# KiCad board mezi_panel.kicad_pcb (continued)
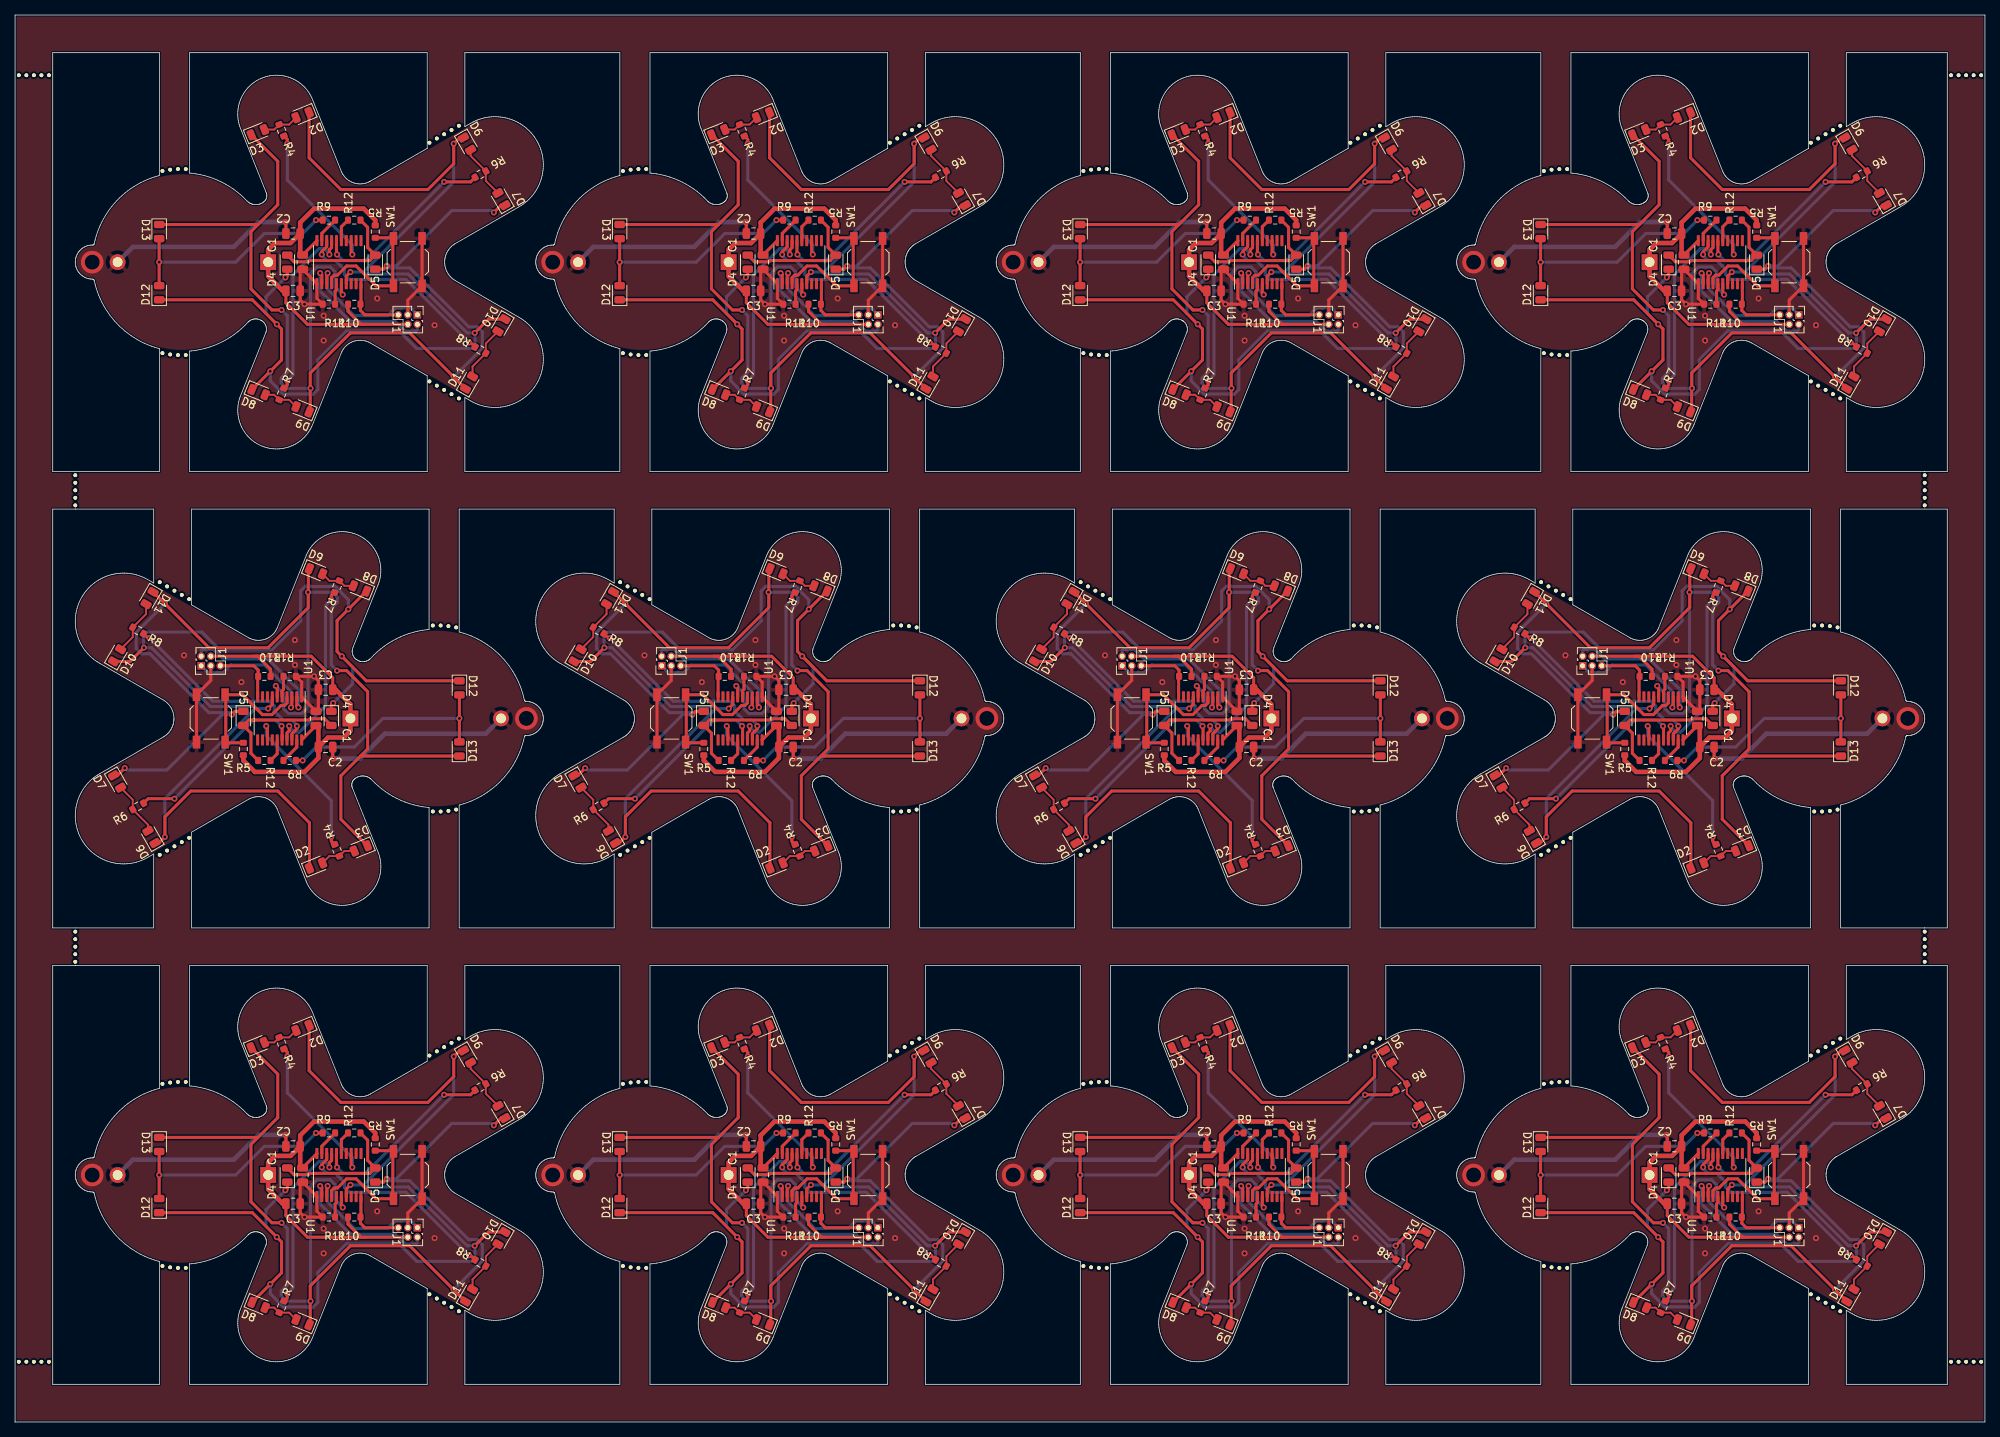
[diagram p0: board, top side]
## Routing (per net, layer and track width the routed paths; a pad name or vN(x,y) marks a point on that pad's centre or on a via; arc(x,y) is an arc through that point) (continued)
Board_6-/MPX1: length 156.4
  Top w0.406: D11#5.1 142.21,108.75 v1(142.21,108.74) 142.22,108.74 148.06,102.9 155.92,102.9 161.26,108.23 161.26,113.26 D9#12.1 ; v1(156.94,97.82) 157.12,97.63 U1#6.6 ; D3#12.1 165.57,80.09 165.57,85.88 168.19,88.5 ; D13#7.1 168.19,88.5 ; 168.19,88.5 169.13,89.44 169.13,97.06 166.34,99.85 v1(165.07,99.85) ; D5#8.1 151.53,94.44 v1(151.1,94.01) ; v1(136.87,86.9) 135.91,85.93 D7#3.1
  Bottom w0.406: v1(165.07,99.85) 164.3,100.61 164.3,108.11 165.11,108.91 165.11,109.58 164.42,110.26 v1(161.22,110.26) 161.22,94.98 160.38,94.15 158.61,94.15 157.95,94.8 157.95,96.8 v1(156.94,97.82) ; v1(136.87,86.9) 137.13,86.64 142.46,86.64 149.83,94.01 v1(151.1,94.01) 150.84,94.26 148.05,94.26 140.22,102.09 139.08,102.09 138.4,102.78 138.4,104.93 v1(142.21,108.74)
Board_6-/MPX2: length 155.6
  Top w0.406: D2#3.1 161.4,79.64 157.19,83.85 145.63,83.85 142.21,80.43 v1(142.21,77.75) 141.39,76.94 D6#6.1 ; D12#9.1 168.95,98.5 v1(165.7,101.75) 165.07,102.39 165.07,106.5 D8#3.1 ; D4#5.1 164.3,95.28 v1(164.56,95.53) ; v1(155.92,94.81) 156.47,95.36 U1#6.7 ; v1(139.41,102.9) 137.58,101.07 D10#11.1
  Bottom w0.406: 154.18,94.81 153.91,95.08 148.24,95.08 140.43,102.9 v1(139.41,102.9) 139.37,102.94 139.37,104.5 139.84,104.97 147.12,104.97 149.45,102.64 156.43,102.64 160.24,106.45 160.24,110.42 160.88,111.07 161.55,111.07 161.59,111.03 164.81,111.03 166.57,109.27 v1(166.57,108) ; 154.18,94.81 v1(155.92,94.81) ; 154.18,94.81 142.21,82.83 v1(142.21,77.75) ; v1(164.56,95.53) 167.14,98.11 167.14,100.32 v1(165.7,101.75)
Board_6-/nRST: length 8.8
  Top w0.406: U1#6.10 154.52,99.02 R10#8.2 154.59,99.91 154.01,100.49 J1#4.5
Board_6-/SWC: length 17.8
  Top w0.406: U1#6.3 159.07,95.07 v1(158.95,94.95)
  Bottom w0.406: J1#4.1 147.03,100.49 147.92,99.59 149.94,99.59 150.96,100.61 155.41,100.61 158.95,97.08 v1(158.95,94.95)
Board_6-/SWD: length 19.8
  Top w0.406: 159.92,94.96 v1(159.95,94.96) 159.72,95.18 U1#6.2
  Bottom w0.406: J1#4.2 147.03,102.47 147.22,102.67 148.67,102.67 149.97,101.37 155.92,101.37 159.95,97.35 v1(159.95,94.96)
Board_6-GND: length 50
  Top w0.406: C2.2 164.49,88.35 ; J1#4.3 148.3,98.54 SW1#10.2 SW1#10.2 ; 164.49,88.23 v1(164.56,88.17) ; 162.59,94.77 C1.1 160.37,96.35 U1#6.1 160.37,98.32 R11#3.1 v1(162.02,99.09) 162.59,98.51 C3#3.2 162.59,94.77
  Bottom w0.61: BT1#7.2 184.81,91.47 171.42,91.47 168.11,88.17 v1(164.56,88.17)
  vias: v1(144.75,101.88) v1(152.37,98.33) v1(159.48,103.91) v1(159.48,100.61) v2(190.21,93.5)
Board_6-Net-(D2-A): length 4.9
  Top w0.25: D3#12.2 166.04,75.88 R4#3.1 164.06,75.21 D2#3.2
Board_6-Net-(D4-A): length 17.9
  Top w0.406: R5#10.1 153.64,88.86 153.64,91.55 D5#8.2 153.34,93.29 161.35,93.29 161.52,93.45 163.41,93.45 D4#5.2
Board_6-Net-(D6-A): length 7.2
  Top w0.25: D7#3.2 137.94,82.69 R6#2.1 139.96,79.38 D6#6.2
Board_6-Net-(D8-A): length 4.8
  Top w0.25: D9#12.2 164.06,111.79 R7#9.1 166.04,111.12 D8#3.2
Board_6-Net-(D10-A): length 7.4
  Top w0.25: D11#5.2 139.71,107.37 R8#11.1 137.94,104.3 D10#11.2
Board_6-Net-(D12-A): length 30.3
  Top w0.406: R9#11.1 v1(160.49,87.91) ; D12#9.2 v1(181.32,93.5) D13#7.2
  Bottom w0.406: v1(181.32,93.5) 171.16,93.5 167.35,89.69 162.27,89.69 v1(160.49,87.91)
Board_6-Net-(SW1A-A): length 19.6
  Top w0.406: R12#2.1 150.29,90.26 SW1#10.1 150.29,90.44 150.29,96.56 SW1#10.1 152.52,96.65 155.16,94.01 156.43,94.01 157.64,95.22 158.08,95.22 158.42,95.56 U1#6.4
Board_6-Net-(U1-PB6/PF4-BOOT0): length 2.8
  Top w0.406: R11#3.2 157.95,97.35 157.77,97.16 U1#6.5
Board_6-VCC: length 54
  Top w0.406: U1#6.20 160.37,90.65 C1.2 ; 153.89,101.76 154.52,101.76 156.24,100.04 R10#8.1 ; C3#3.1 164.49,98.9 161.63,101.76 J1#4.4
  Top w0.61: C2.1 162.59,88.23 160.75,86.39 154.14,86.39 152.62,87.91 R12#2.2 ; C2.1 163.86,90.96 165.96,90.96 166.84,91.84 BT1#7.1 166.84,95.37 164.91,97.31 C3#3.1 ; C2.1 162.59,92.23 C1.2
Board_7-/L1: length 21.4
  Top w0.406: v1(216.82,92.48) 216.97,92.33 U1.13 ; R4#10.2 225.46,77.19 v1(225.46,77.75)
  Bottom w0.406: v1(225.46,77.75) 225.46,82.58 216.82,91.21 v1(216.82,92.48)
Board_7-/L2: length 3.1
  Top w0.406: U1.15 218.27,88.79 R5#8.2
Board_7-/L3: length 25.1
  Top w0.406: U1.16 218.92,92.41 v1(218.85,92.48) ; R6#10.2 201.12,82.83 v1(204.63,82.83)
  Bottom w0.406: v1(204.63,82.83) 215.08,93.29 218.05,93.29 v1(218.85,92.48)
Board_7-/L4: length 24.2
  Top w0.406: R7.2 225.46,109.81 v1(225.46,109.25) ; v1(219.87,92.48) 219.87,91.86 219.57,91.56 U1.17
  Bottom w0.406: v1(225.46,109.25) 224.7,108.49 224.7,95.16 221.22,91.68 220.55,91.68 219.87,92.36 v1(219.87,92.48)
Board_7-/L5: length 28
  Top w0.406: U1.18 220.22,91.46 220.89,92.12 v1(220.89,92.48) ; R8#12.2 201.12,104.17 v1(201.33,104.17)
  Bottom w0.406: v1(220.89,92.48) 220.89,92.6 220.2,93.29 219.07,93.29 217.88,94.47 217.88,95.14 217.24,95.79 209.71,95.79 v1(201.33,104.17)
Board_7-/L6: length 3.5
  Top w0.406: U1.19 220.87,89.68 R9#3.2
Board_7-/MPX1: length 156.4
  Top w0.406: v1(218.09,97.82) 218.27,97.63 U1.6 ; 229.35,88.5 230.28,89.44 230.28,97.06 227.49,99.85 v1(226.22,99.85) ; 229.35,88.5 226.73,85.88 226.73,80.09 D3#8.1 ; 229.35,88.5 D13#8.1 ; D5#7.1 212.68,94.44 v1(212.25,94.01) ; D9#10.1 222.41,113.26 222.41,108.23 217.08,102.9 209.21,102.9 203.37,108.74 v1(203.36,108.74) 203.36,108.75 D11#4.1 ; D7#5.1 197.06,85.93 v1(198.03,86.9)
  Bottom w0.406: v1(198.03,86.9) 198.28,86.64 203.61,86.64 210.98,94.01 v1(212.25,94.01) 212,94.26 209.2,94.26 201.37,102.09 200.23,102.09 199.55,102.78 199.55,104.93 v1(203.36,108.74) ; v1(226.22,99.85) 225.46,100.61 225.46,108.11 226.26,108.91 226.26,109.58 225.58,110.26 v1(222.37,110.26) 222.37,94.98 221.53,94.15 219.77,94.15 219.11,94.8 219.11,96.8 v1(218.09,97.82)
Board_7-/MPX2: length 155.6
  Top w0.406: D6#11.1 202.55,76.94 v1(203.36,77.75) 203.36,80.43 206.78,83.85 218.35,83.85 222.56,79.64 D2#12.1 ; U1.7 217.62,95.36 v1(217.08,94.81) ; D8#11.1 226.22,106.5 226.22,102.39 v1(226.85,101.75) 230.11,98.5 D12#8.1 ; D4#6.1 225.46,95.28 v1(225.71,95.53) ; v1(200.57,102.9) 198.74,101.07 D10#5.1
  Bottom w0.406: v1(227.72,108) 227.72,109.27 225.97,111.03 222.74,111.03 222.7,111.07 222.04,111.07 221.39,110.42 221.39,106.45 217.58,102.64 210.6,102.64 208.28,104.97 200.99,104.97 200.52,104.5 200.52,102.94 v1(200.57,102.9) 201.58,102.9 209.4,95.08 215.07,95.08 215.34,94.81 ; 215.34,94.81 203.36,82.83 v1(203.36,77.75) ; 215.34,94.81 v1(217.08,94.81) ; v1(226.85,101.75) 228.29,100.32 228.29,98.11 v1(225.71,95.53)
Board_7-/nRST: length 8.8
  Top w0.406: J1#10.5 215.16,100.49 215.74,99.91 R10.2 215.67,99.02 U1.10
Board_7-/SWC: length 17.8
  Top w0.406: v1(220.1,94.95) 220.22,95.07 U1.3
  Bottom w0.406: J1#10.1 208.18,100.49 209.08,99.59 211.09,99.59 212.11,100.61 216.57,100.61 220.1,97.08 v1(220.1,94.95)
Board_7-/SWD: length 19.8
  Top w0.406: U1.2 220.87,95.18 v1(221.1,94.96) 221.07,94.96
  Bottom w0.406: J1#10.2 208.18,102.47 208.38,102.67 209.82,102.67 211.12,101.37 217.08,101.37 221.1,97.35 v1(221.1,94.96)
Board_7-GND: length 50
  Top w0.406: 225.65,88.23 v1(225.71,88.17) ; J1#10.3 209.45,98.54 SW1#8.2 SW1#8.2 ; C2#8.2 225.65,88.35 ; R11#10.1 v1(223.17,99.09) 223.75,98.51 C3#9.2 223.75,94.77 C1#12.1 221.52,96.35 U1.1 221.52,98.32 R11#10.1
  Bottom w0.61: v1(225.71,88.17) 229.27,88.17 232.57,91.47 245.97,91.47 BT1#9.2
  vias: v1(205.9,101.88) v1(213.52,98.33) v1(220.63,103.91) v1(220.63,100.61) v2(251.37,93.5)
Board_7-Net-(D2-A): length 4.9
  Top w0.25: D2#12.2 225.21,75.21 R4#10.1 227.2,75.88 D3#8.2
Board_7-Net-(D4-A): length 17.9
  Top w0.406: R5#8.1 214.79,88.86 214.79,91.55 D5#7.2 214.5,93.29 222.51,93.29 222.67,93.45 224.57,93.45 D4#6.2
Board_7-Net-(D6-A): length 7.2
  Top w0.25: D7#5.2 199.09,82.69 R6#10.1 201.11,79.38 D6#11.2
Board_7-Net-(D8-A): length 4.8
  Top w0.25: D9#10.2 225.21,111.79 R7.1 227.2,111.12 D8#11.2
Board_7-Net-(D10-A): length 7.4
  Top w0.25: D10#5.2 199.09,104.3 R8#12.1 200.86,107.37 D11#4.2
Board_7-Net-(D12-A): length 30.3
  Top w0.406: D12#8.2 v1(242.48,93.5) D13#8.2 ; R9#3.1 v1(221.65,87.91)
  Bottom w0.406: v1(221.65,87.91) 223.43,89.69 228.51,89.69 232.32,93.5 v1(242.48,93.5)
Board_7-Net-(SW1A-A): length 19.6
  Top w0.406: R12#6.1 211.44,90.26 SW1#8.1 211.45,90.44 211.45,96.56 SW1#8.1 213.67,96.65 216.31,94.01 217.58,94.01 218.8,95.22 219.24,95.22 219.57,95.56 U1.4
Board_7-Net-(U1-PB6/PF4-BOOT0): length 2.8
  Top w0.406: R11#10.2 219.11,97.35 218.92,97.16 U1.5
Board_7-VCC: length 54
  Top w0.406: 215.04,101.76 215.67,101.76 217.39,100.04 R10.1 ; U1.20 221.52,90.65 C1#12.2 ; C3#9.1 225.65,98.9 222.78,101.76 J1#10.4
  Top w0.61: C2#8.1 223.75,92.23 C1#12.2 ; C2#8.1 223.75,88.23 221.9,86.39 215.3,86.39 213.77,87.91 R12#6.2 ; C2#8.1 225.02,90.96 227.12,90.96 228,91.84 BT1#9.1 228,95.37 226.06,97.31 C3#9.1
Board_8-/L1: length 21.4
  Top w0.406: v1(44.79,33.83) 44.64,33.99 U1#8.13 ; v1(36.16,48.57) 36.16,49.13 R4#5.2
  Bottom w0.406: v1(44.79,33.83) 44.79,35.1 36.16,43.74 v1(36.16,48.57)
Board_8-/L2: length 3.1
  Top w0.406: R5#5.2 43.34,37.52 U1#8.15
Board_8-/L3: length 25.1
  Top w0.406: v1(42.76,33.83) 42.69,33.9 U1#8.16 ; R6.2 60.49,43.49 v1(56.98,43.49)
  Bottom w0.406: v1(56.98,43.49) 46.53,33.03 43.56,33.03 v1(42.76,33.83)
Board_8-/L4: length 24.2
  Top w0.406: v1(41.74,33.83) 41.74,34.46 42.04,34.76 U1#8.17 ; v1(36.16,17.07) 36.16,16.51 R7#8.2
  Bottom w0.406: v1(41.74,33.83) 41.74,33.95 41.06,34.64 40.39,34.64 36.92,31.16 36.92,17.83 v1(36.16,17.07)
Board_8-/L5: length 28
  Top w0.406: U1#8.18 41.39,34.86 40.73,34.2 v1(40.73,33.83) ; v1(60.29,22.15) 60.49,22.15 R8#5.2
  Bottom w0.406: v1(40.73,33.83) 40.73,33.71 41.41,33.03 42.55,33.03 43.73,31.84 43.73,31.17 44.38,30.53 51.9,30.53 v1(60.29,22.15)
Board_8-/L6: length 3.5
  Top w0.406: R9#9.2 40.74,36.64 U1#8.19
Board_8-/MPX1: length 156.4
  Top w0.406: D13#2.1 32.27,37.82 ; 32.27,37.82 31.33,36.88 31.33,29.26 34.12,26.47 v1(35.39,26.47) ; 32.27,37.82 34.89,40.44 34.89,46.22 D3#10.1 ; v1(49.36,32.31) 48.93,31.88 D5#12.1 ; v1(63.59,39.42) 64.55,40.39 D7#2.1 ; U1#8.6 43.34,28.68 v1(43.52,28.5) ; D9#8.1 39.2,13.06 39.2,18.09 44.54,23.42 52.4,23.42 58.24,17.58 v1(58.25,17.58) 58.25,17.57 D11#3.1
  Bottom w0.406: v1(58.25,17.58) 62.06,21.39 62.06,23.54 61.38,24.22 60.24,24.22 52.41,32.06 49.62,32.06 v1(49.36,32.31) 50.63,32.31 58,39.68 63.33,39.68 v1(63.59,39.42) ; v1(35.39,26.47) 36.16,25.71 36.16,18.21 35.35,17.4 35.35,16.74 36.04,16.05 v1(39.24,16.05) 39.24,31.33 40.08,32.17 41.85,32.17 42.51,31.51 42.51,29.52 v1(43.52,28.5)
Board_8-/MPX2: length 155.6
  Top w0.406: U1#8.7 43.99,30.96 v1(44.54,31.51) ; D6#4.1 59.07,49.38 v1(58.25,48.57) 58.25,45.89 54.83,42.47 43.27,42.47 39.06,46.68 D2.1 ; v1(61.05,23.42) 62.88,25.25 D10#3.1 ; D4#2.1 36.16,31.04 v1(35.9,30.79) ; D8#4.1 35.39,19.81 35.39,23.93 v1(34.76,24.56) 31.5,27.82 D12#10.1
  Bottom w0.406: v1(34.76,24.56) 33.32,26 33.32,28.2 v1(35.9,30.79) ; v1(44.54,31.51) 46.27,31.51 ; 46.27,31.51 46.55,31.24 52.21,31.24 60.03,23.42 v1(61.05,23.42) 61.09,23.38 61.09,21.82 60.62,21.35 53.34,21.35 51.01,23.67 44.03,23.67 40.22,19.86 40.22,15.89 39.58,15.25 38.91,15.25 38.87,15.29 35.65,15.29 33.89,17.04 v1(33.89,18.31) ; 46.27,31.51 58.25,43.49 v1(58.25,48.57)
Board_8-/nRST: length 8.8
  Top w0.406: U1#8.10 45.94,27.3 R10#9.2 45.87,26.4 46.45,25.82 J1#7.5
Board_8-/SWC: length 17.8
  Top w0.406: U1#8.3 41.39,31.24 v1(41.51,31.37)
  Bottom w0.406: v1(41.51,31.37) 41.51,29.24 45.05,25.71 49.5,25.71 50.52,26.73 52.54,26.73 53.43,25.83 J1#7.1
Board_8-/SWD: length 19.8
  Top w0.406: U1#8.2 40.74,31.14 v1(40.51,31.36) 40.54,31.36
  Bottom w0.406: v1(40.51,31.36) 40.51,28.97 44.54,24.94 50.49,24.94 51.79,23.65 53.24,23.65 53.43,23.85 J1#7.2
Board_8-GND: length 50
  Top w0.406: 35.97,38.09 v1(35.9,38.15) ; SW1#12.2 SW1#12.2 52.16,27.77 J1#7.3 ; C2#9.2 35.97,37.96 ; C3#5.2 37.87,27.8 v1(38.44,27.23) R11#5.1 40.09,28 U1#8.1 40.09,29.97 C1#2.1 37.87,31.55 C3#5.2
  Bottom w0.61: BT1#10.2 15.65,34.85 29.04,34.85 32.35,38.15 v1(35.9,38.15)
  vias: v1(40.98,25.71) v1(40.98,22.4) v1(48.09,27.99) v1(55.71,24.44) v2(10.25,32.82)
Board_8-Net-(D2-A): length 4.9
  Top w0.25: D2.2 36.4,51.11 R4#5.1 34.42,50.44 D3#10.2
Board_8-Net-(D4-A): length 17.9
  Top w0.406: D4#2.2 37.05,32.86 38.94,32.86 39.11,33.03 47.11,33.03 D5#12.2 46.82,34.77 46.82,37.45 R5#5.1
Board_8-Net-(D6-A): length 7.2
  Top w0.25: D7#2.2 62.52,43.62 R6.1 60.5,46.94 D6#4.2
Board_8-Net-(D8-A): length 4.8
  Top w0.25: D9#8.2 36.4,14.53 R7#8.1 34.42,15.19 D8#4.2
Board_8-Net-(D10-A): length 7.4
  Top w0.25: D10#3.2 62.52,22.01 R8#5.1 60.75,18.95 D11#3.2
Board_8-Net-(D12-A): length 30.3
  Top w0.406: R9#9.1 v1(39.97,38.41) ; D12#10.2 v1(19.14,32.82) D13#2.2
  Bottom w0.406: v1(39.97,38.41) 38.19,36.63 33.11,36.63 29.3,32.82 v1(19.14,32.82)
Board_8-Net-(SW1A-A): length 19.6
  Top w0.406: U1#8.4 42.04,30.76 42.38,31.1 42.82,31.1 44.03,32.31 45.3,32.31 47.94,29.67 SW1#12.1 50.17,29.76 50.17,35.88 SW1#12.1 50.17,36.06 R12#12.1
Board_8-Net-(U1-PB6/PF4-BOOT0): length 2.8
  Top w0.406: R11#5.2 42.51,28.97 42.69,29.15 U1#8.5
Board_8-VCC: length 54
  Top w0.406: C1#2.2 40.09,35.67 U1#8.20 ; C3#5.1 35.97,27.42 38.83,24.55 J1#7.4 ; R10#9.1 44.22,26.28 45.94,24.55 46.57,24.55
  Top w0.61: C3#5.1 35.55,29.01 33.62,30.95 BT1#10.1 33.62,34.48 34.5,35.36 36.6,35.36 C2#9.1 ; C1#2.2 37.87,34.09 C2#9.1 ; C2#9.1 37.87,38.09 39.71,39.93 46.32,39.93 47.84,38.41 R12#12.2
Board_9-/L1: length 21.4
  Top w0.406: v1(97.31,48.57) 97.31,49.13 R4#2.2 ; U1#9.13 105.79,33.99 v1(105.94,33.83)
  Bottom w0.406: v1(105.94,33.83) 105.94,35.1 97.31,43.74 v1(97.31,48.57)
Board_9-/L2: length 3.1
  Top w0.406: U1#9.15 104.49,37.52 R5.2
Board_9-/L3: length 25.1
  Top w0.406: U1#9.16 103.84,33.9 v1(103.91,33.83) ; v1(118.14,43.49) 121.64,43.49 R6#7.2
  Bottom w0.406: v1(118.14,43.49) 107.68,33.03 104.72,33.03 v1(103.91,33.83)
Board_9-/L4: length 24.2
  Top w0.406: U1#9.17 103.19,34.76 102.9,34.46 v1(102.9,33.83) ; v1(97.31,17.07) 97.31,16.51 R7#7.2
  Bottom w0.406: v1(102.9,33.83) 102.9,33.95 102.21,34.64 101.55,34.64 98.07,31.16 98.07,17.83 v1(97.31,17.07)
Board_9-/L5: length 28
  Top w0.406: R8#2.2 121.64,22.15 v1(121.44,22.15) ; v1(101.88,33.83) 101.88,34.2 102.54,34.86 U1#9.18
  Bottom w0.406: v1(121.44,22.15) 113.06,30.53 105.53,30.53 104.89,31.17 104.89,31.84 103.7,33.03 102.56,33.03 101.88,33.71 v1(101.88,33.83)
Board_9-/L6: length 3.5
  Top w0.406: U1#9.19 101.89,36.64 R9#10.2
Board_9-/MPX1: length 156.4
  Top w0.406: v1(104.67,28.5) 104.49,28.68 U1#9.6 ; D13#6.1 93.42,37.82 ; 93.42,37.82 92.48,36.88 92.48,29.26 95.28,26.47 v1(96.55,26.47) ; 93.42,37.82 96.04,40.44 96.04,46.22 D3#3.1 ; D5#11.1 110.09,31.88 v1(110.52,32.31) ; v1(124.74,39.42) 125.71,40.39 D7#7.1 ; D9#3.1 100.36,13.06 100.36,18.09 105.69,23.42 113.55,23.42 119.4,17.58 v1(119.41,17.58) 119.41,17.57 D11#7.1
  Bottom w0.406: v1(96.55,26.47) 97.31,25.71 97.31,18.21 96.51,17.4 96.51,16.74 97.19,16.05 v1(100.4,16.05) 100.4,31.33 101.23,32.17 103,32.17 103.66,31.51 103.66,29.52 v1(104.67,28.5) ; v1(119.41,17.58) 123.22,21.39 123.22,23.54 122.53,24.22 121.4,24.22 113.56,32.06 110.77,32.06 v1(110.52,32.31) 111.79,32.31 119.15,39.68 124.49,39.68 v1(124.74,39.42)
Board_9-/MPX2: length 155.6
  Top w0.406: D10#4.1 124.03,25.25 v1(122.2,23.42) ; U1#9.7 105.14,30.96 v1(105.69,31.51) ; D2#7.1 100.21,46.68 104.42,42.47 115.98,42.47 119.41,45.89 v1(119.41,48.57) 120.22,49.38 D6.1 ; D8#12.1 96.55,19.81 96.55,23.93 v1(95.91,24.56) 92.66,27.82 D12#4.1 ; D4#3.1 97.31,31.04 v1(97.05,30.79)
  Bottom w0.406: v1(97.05,30.79) 94.47,28.2 94.47,26 v1(95.91,24.56) ; v1(119.41,48.57) 119.41,43.49 107.43,31.51 ; 107.43,31.51 107.7,31.24 113.37,31.24 121.18,23.42 v1(122.2,23.42) 122.24,23.38 122.24,21.82 121.77,21.35 114.49,21.35 112.16,23.67 105.18,23.67 101.37,19.86 101.37,15.89 100.73,15.25 100.07,15.25 100.02,15.29 96.8,15.29 95.05,17.04 v1(95.05,18.31) ; 107.43,31.51 v1(105.69,31.51)
Board_9-/nRST: length 8.8
  Top w0.406: J1.5 107.61,25.82 107.02,26.4 R10#12.2 107.09,27.3 U1#9.10
Board_9-/SWC: length 17.8
  Top w0.406: U1#9.3 102.54,31.24 v1(102.67,31.37)
  Bottom w0.406: J1.1 114.59,25.83 113.69,26.73 111.67,26.73 110.65,25.71 106.2,25.71 102.67,29.24 v1(102.67,31.37)
Board_9-/SWD: length 19.8
  Top w0.406: U1#9.2 101.89,31.14 v1(101.67,31.36) 101.69,31.36
  Bottom w0.406: J1.2 114.59,23.85 114.39,23.65 112.94,23.65 111.65,24.94 105.69,24.94 101.67,28.97 v1(101.67,31.36)
Board_9-GND: length 50
  Top w0.406: 97.12,38.09 v1(97.05,38.15) ; J1.3 113.32,27.77 SW1#5.2 SW1#5.2 ; C2#10.2 97.12,37.96 ; 99.02,31.55 C1#9.1 101.24,29.97 U1#9.1 101.24,28 R11#12.1 v1(99.59,27.23) 99.02,27.8 C3#8.2 99.02,31.55
  Bottom w0.61: BT1#5.2 76.8,34.85 90.2,34.85 93.5,38.15 v1(97.05,38.15)
  vias: v1(102.13,25.71) v1(102.13,22.4) v1(109.25,27.99) v1(116.87,24.44) v2(71.4,32.82)
Board_9-Net-(D2-A): length 4.9
  Top w0.25: D2#7.2 97.56,51.11 R4#2.1 95.57,50.44 D3#3.2
Board_9-Net-(D4-A): length 17.9
  Top w0.406: D4#3.2 98.2,32.86 100.09,32.86 100.26,33.03 108.27,33.03 D5#11.2 107.98,34.77 107.98,37.45 R5.1
Board_9-Net-(D6-A): length 7.2
  Top w0.25: D7#7.2 123.68,43.62 R6#7.1 121.65,46.94 D6.2
Board_9-Net-(D8-A): length 4.8
  Top w0.25: D8#12.2 95.57,15.19 R7#7.1 97.56,14.53 D9#3.2
Board_9-Net-(D10-A): length 7.4
  Top w0.25: D10#4.2 123.68,22.01 R8#2.1 121.91,18.95 D11#7.2
Board_9-Net-(D12-A): length 30.3
  Top w0.406: R9#10.1 v1(101.12,38.41) ; D13#6.2 v1(80.29,32.82) D12#4.2
  Bottom w0.406: v1(101.12,38.41) 99.34,36.63 94.26,36.63 90.45,32.82 v1(80.29,32.82)
Board_9-Net-(SW1A-A): length 19.6
  Top w0.406: U1#9.4 103.19,30.76 103.53,31.1 103.97,31.1 105.18,32.31 106.45,32.31 109.09,29.67 SW1#5.1 111.32,29.76 111.32,35.88 SW1#5.1 111.32,36.06 R12#4.1
Board_9-Net-(U1-PB6/PF4-BOOT0): length 2.8
  Top w0.406: U1#9.5 103.84,29.15 103.66,28.97 R11#12.2
Board_9-VCC: length 54
  Top w0.406: C1#9.2 101.24,35.67 U1#9.20 ; 107.72,24.55 107.1,24.55 105.37,26.28 R10#12.1 ; C3#8.1 97.12,27.42 99.99,24.55 J1.4
  Top w0.61: C2#10.1 97.75,35.36 95.65,35.36 94.77,34.48 BT1#5.1 94.77,30.95 96.71,29.01 C3#8.1 ; C2#10.1 99.02,38.09 100.86,39.93 107.47,39.93 108.99,38.41 R12#4.2 ; C2#10.1 99.02,34.09 C1#9.2
Board_10-/L1: length 21.4
  Top w0.406: v1(158.46,48.57) 158.46,49.13 R4#4.2 ; U1#4.13 166.94,33.99 v1(167.1,33.83)
  Bottom w0.406: v1(158.46,48.57) 158.46,43.74 167.1,35.1 v1(167.1,33.83)
Board_10-/L2: length 3.1
  Top w0.406: U1#4.15 165.64,37.52 R5#6.2
Board_10-/L3: length 25.1
  Top w0.406: v1(165.07,33.83) 164.99,33.9 U1#4.16 ; R6#9.2 182.8,43.49 v1(179.29,43.49)
  Bottom w0.406: v1(179.29,43.49) 168.83,33.03 165.87,33.03 v1(165.07,33.83)
Board_10-/L4: length 24.2
  Top w0.406: R7#11.2 158.46,16.51 v1(158.46,17.07) ; v1(164.05,33.83) 164.05,34.46 164.34,34.76 U1#4.17
  Bottom w0.406: v1(158.46,17.07) 159.22,17.83 159.22,31.16 162.7,34.64 163.37,34.64 164.05,33.95 v1(164.05,33.83)
Board_10-/L5: length 28
  Top w0.406: v1(182.59,22.15) 182.8,22.15 R8#3.2 ; v1(163.03,33.83) 163.03,34.2 163.69,34.86 U1#4.18
  Bottom w0.406: v1(163.03,33.83) 163.03,33.71 163.72,33.03 164.85,33.03 166.04,31.84 166.04,31.17 166.68,30.53 174.21,30.53 v1(182.59,22.15)
Board_10-/L6: length 3.5
  Top w0.406: R9#4.2 163.04,36.64 U1#4.19
Board_10-/MPX1: length 156.4
  Top w0.406: U1#4.6 165.64,28.68 v1(165.83,28.5) ; v1(157.7,26.47) 156.43,26.47 153.64,29.26 153.64,36.88 154.57,37.82 ; D9#11.1 161.51,13.06 161.51,18.09 166.84,23.42 174.71,23.42 180.55,17.58 v1(180.56,17.58) 180.56,17.57 D11#11.1 ; D5#9.1 171.24,31.88 v1(171.67,32.31) ; 154.57,37.82 157.19,40.44 157.19,46.22 D3#5.1 ; 154.57,37.82 D13#11.1 ; v1(185.89,39.42) 186.86,40.39 D7#4.1
  Bottom w0.406: v1(180.56,17.58) 184.37,21.39 184.37,23.54 183.69,24.22 182.55,24.22 174.72,32.06 171.92,32.06 v1(171.67,32.31) 172.94,32.31 180.31,39.68 185.64,39.68 v1(185.89,39.42) ; v1(157.7,26.47) 158.46,25.71 158.46,18.21 157.66,17.4 157.66,16.74 158.34,16.05 v1(161.55,16.05) 161.55,31.33 162.39,32.17 164.15,32.17 164.81,31.51 164.81,29.52 v1(165.83,28.5)
Board_10-/MPX2: length 155.6
  Top w0.406: D6#3.1 181.37,49.38 v1(180.56,48.57) 180.56,45.89 177.14,42.47 165.57,42.47 161.36,46.68 D2#10.1 ; D12#7.1 153.81,27.82 v1(157.06,24.56) 157.7,23.93 157.7,19.81 D8.1 ; D10.1 185.18,25.25 v1(183.35,23.42) ; v1(158.21,30.79) 158.46,31.04 D4#7.1 ; U1#4.7 166.29,30.96 v1(166.84,31.51)
  Bottom w0.406: 168.58,31.51 180.56,43.49 v1(180.56,48.57) ; 168.58,31.51 v1(166.84,31.51) ; 168.58,31.51 168.85,31.24 174.52,31.24 182.34,23.42 v1(183.35,23.42) 183.39,23.38 183.39,21.82 182.92,21.35 175.64,21.35 173.32,23.67 166.34,23.67 162.53,19.86 162.53,15.89 161.88,15.25 161.22,15.25 161.18,15.29 157.95,15.29 156.2,17.04 v1(156.2,18.31) ; v1(157.06,24.56) 155.63,26 155.63,28.2 v1(158.21,30.79)
Board_10-/nRST: length 8.8
  Top w0.406: U1#4.10 168.24,27.3 R10#4.2 168.18,26.4 168.76,25.82 J1#12.5
Board_10-/SWC: length 17.8
  Top w0.406: v1(163.82,31.37) 163.69,31.24 U1#4.3
  Bottom w0.406: J1#12.1 175.74,25.83 174.84,26.73 172.82,26.73 171.8,25.71 167.35,25.71 163.82,29.24 v1(163.82,31.37)
Board_10-/SWD: length 19.8
  Top w0.406: 162.85,31.36 v1(162.82,31.36) 163.04,31.14 U1#4.2
  Bottom w0.406: J1#12.2 175.74,23.85 175.54,23.65 174.09,23.65 172.8,24.94 166.84,24.94 162.82,28.97 v1(162.82,31.36)
Board_10-GND: length 50
  Top w0.406: J1#12.3 174.47,27.77 SW1.2 SW1.2 ; C2#12.2 158.27,37.96 ; 158.27,38.09 v1(158.21,38.15) ; C3#11.2 160.17,27.8 v1(160.75,27.23) R11#8.1 162.39,28 U1#4.1 162.39,29.97 C1#10.1 160.17,31.55 C3#11.2
  Bottom w0.61: BT1#3.2 137.95,34.85 151.35,34.85 154.65,38.15 v1(158.21,38.15)
  vias: v1(163.29,25.71) v1(163.29,22.4) v1(170.4,27.99) v1(178.02,24.44) v2(132.55,32.82)
Board_10-Net-(D2-A): length 4.9
  Top w0.25: D3#5.2 156.72,50.44 R4#4.1 158.71,51.11 D2#10.2
Board_10-Net-(D4-A): length 17.9
  Top w0.406: D4#7.2 159.35,32.86 161.25,32.86 161.41,33.03 169.42,33.03 D5#9.2 169.13,34.77 169.13,37.45 R5#6.1
Board_10-Net-(D6-A): length 7.2
  Top w0.25: D6#3.2 182.81,46.94 R6#9.1 184.83,43.62 D7#4.2
Board_10-Net-(D8-A): length 4.8
  Top w0.25: D8.2 156.72,15.19 R7#11.1 158.71,14.53 D9#11.2
Board_10-Net-(D10-A): length 7.4
  Top w0.25: D10.2 184.83,22.01 R8#3.1 183.06,18.95 D11#11.2
Board_10-Net-(D12-A): length 30.3
  Top w0.406: R9#4.1 v1(162.27,38.41) ; D13#11.2 v1(141.44,32.82) D12#7.2
  Bottom w0.406: v1(162.27,38.41) 160.49,36.63 155.41,36.63 151.6,32.82 v1(141.44,32.82)
Board_10-Net-(SW1A-A): length 19.6
  Top w0.406: R12#8.1 172.47,36.06 SW1.1 172.47,35.88 172.47,29.76 SW1.1 170.25,29.67 167.61,32.31 166.34,32.31 165.12,31.1 164.68,31.1 164.34,30.76 U1#4.4
Board_10-Net-(U1-PB6/PF4-BOOT0): length 2.8
  Top w0.406: R11#8.2 164.81,28.97 164.99,29.15 U1#4.5
Board_10-VCC: length 54
  Top w0.406: U1#4.20 162.39,35.67 C1#10.2 ; C3#11.1 158.27,27.42 161.14,24.55 J1#12.4 ; 168.88,24.55 168.25,24.55 166.53,26.28 R10#4.1
  Top w0.61: C2#12.1 160.17,38.09 162.02,39.93 168.62,39.93 170.15,38.41 R12#8.2 ; C2#12.1 158.9,35.36 156.8,35.36 155.92,34.48 BT1#3.1 155.92,30.95 157.86,29.01 C3#11.1 ; C2#12.1 160.17,34.09 C1#10.2
Board_11-/L1: length 21.4
  Top w0.406: v1(228.25,33.83) 228.1,33.99 U1#7.13 ; R4#8.2 219.61,49.13 v1(219.61,48.57)
  Bottom w0.406: v1(219.61,48.57) 219.61,43.74 228.25,35.1 v1(228.25,33.83)
Board_11-/L2: length 3.1
  Top w0.406: R5#12.2 226.8,37.52 U1#7.15
Board_11-/L3: length 25.1
  Top w0.406: U1#7.16 226.15,33.9 v1(226.22,33.83) ; R6#12.2 243.95,43.49 v1(240.44,43.49)
  Bottom w0.406: v1(240.44,43.49) 229.99,33.03 227.02,33.03 v1(226.22,33.83)
Board_11-/L4: length 24.2
  Top w0.406: U1#7.17 225.5,34.76 225.2,34.46 v1(225.2,33.83) ; R7#10.2 219.61,16.51 v1(219.61,17.07)
  Bottom w0.406: v1(225.2,33.83) 225.2,33.95 224.52,34.64 223.85,34.64 220.38,31.16 220.38,17.83 v1(219.61,17.07)
Board_11-/L5: length 28
  Top w0.406: U1#7.18 224.85,34.86 224.19,34.2 v1(224.19,33.83) ; v1(243.74,22.15) 243.95,22.15 R8.2
  Bottom w0.406: v1(243.74,22.15) 235.36,30.53 227.84,30.53 227.19,31.17 227.19,31.84 226.01,33.03 224.87,33.03 224.19,33.71 v1(224.19,33.83)
Board_11-/L6: length 3.5
  Top w0.406: U1#7.19 224.2,36.64 R9#7.2
Board_11-/MPX1: length 156.4
  Top w0.406: 215.73,37.82 218.34,40.44 218.34,46.22 D3#6.1 ; 215.73,37.82 214.79,36.88 214.79,29.26 217.58,26.47 v1(218.85,26.47) ; 215.73,37.82 D13#10.1 ; D5#4.1 232.39,31.88 v1(232.82,32.31) ; D7#8.1 248.01,40.39 v1(247.05,39.42) ; D9#2.1 222.66,13.06 222.66,18.09 228,23.42 235.86,23.42 241.7,17.58 v1(241.71,17.58) 241.71,17.57 D11#8.1 ; v1(226.98,28.5) 226.8,28.68 U1#7.6
  Bottom w0.406: v1(226.98,28.5) 225.96,29.52 225.96,31.51 225.31,32.17 223.54,32.17 222.7,31.33 v1(222.7,16.05) 219.49,16.05 218.81,16.74 218.81,17.4 219.61,18.21 219.61,25.71 v1(218.85,26.47) ; v1(241.71,17.58) 245.52,21.39 245.52,23.54 244.84,24.22 243.7,24.22 235.87,32.06 233.08,32.06 v1(232.82,32.31) 234.09,32.31 241.46,39.68 246.79,39.68 v1(247.05,39.42)
Board_11-/MPX2: length 155.6
  Top w0.406: D2#6.1 222.52,46.68 226.73,42.47 238.29,42.47 241.71,45.89 v1(241.71,48.57) 242.52,49.38 D6#12.1 ; D8#5.1 218.85,19.81 218.85,23.93 v1(218.22,24.56) 214.96,27.82 D12#6.1 ; U1#7.7 227.45,30.96 v1(228,31.51) ; D10#12.1 246.33,25.25 v1(244.51,23.42) ; v1(219.36,30.79) 219.61,31.04 D4#10.1
  Bottom w0.406: v1(241.71,48.57) 241.71,43.49 229.73,31.51 ; v1(218.22,24.56) 216.78,26 216.78,28.2 v1(219.36,30.79) ; 229.73,31.51 230.01,31.24 235.67,31.24 243.49,23.42 v1(244.51,23.42) 244.55,23.38 244.55,21.82 244.08,21.35 236.8,21.35 234.47,23.67 227.49,23.67 223.68,19.86 223.68,15.89 223.04,15.25 222.37,15.25 222.33,15.29 219.11,15.29 217.35,17.04 v1(217.35,18.31) ; 229.73,31.51 v1(228,31.51)
